# Altium PCB ZYNQ-7000_SOM_Bd.PcbDoc (part 6 of 6)
Units mm, origin at the board's own origin, x right, y up, seen from the top; angles counter-clockwise.
Board outline 69.6 x 45 mm, 8 copper layers (L1 (Sig), L2 (GND), L3 (PWR), L4 (Sig), L5 (GND), L6 (Sig), L7 (GND), L8 (Sig)), stack 1.188 mm thick; 246 components, 201 nets, 1392 pads, 883 vias.
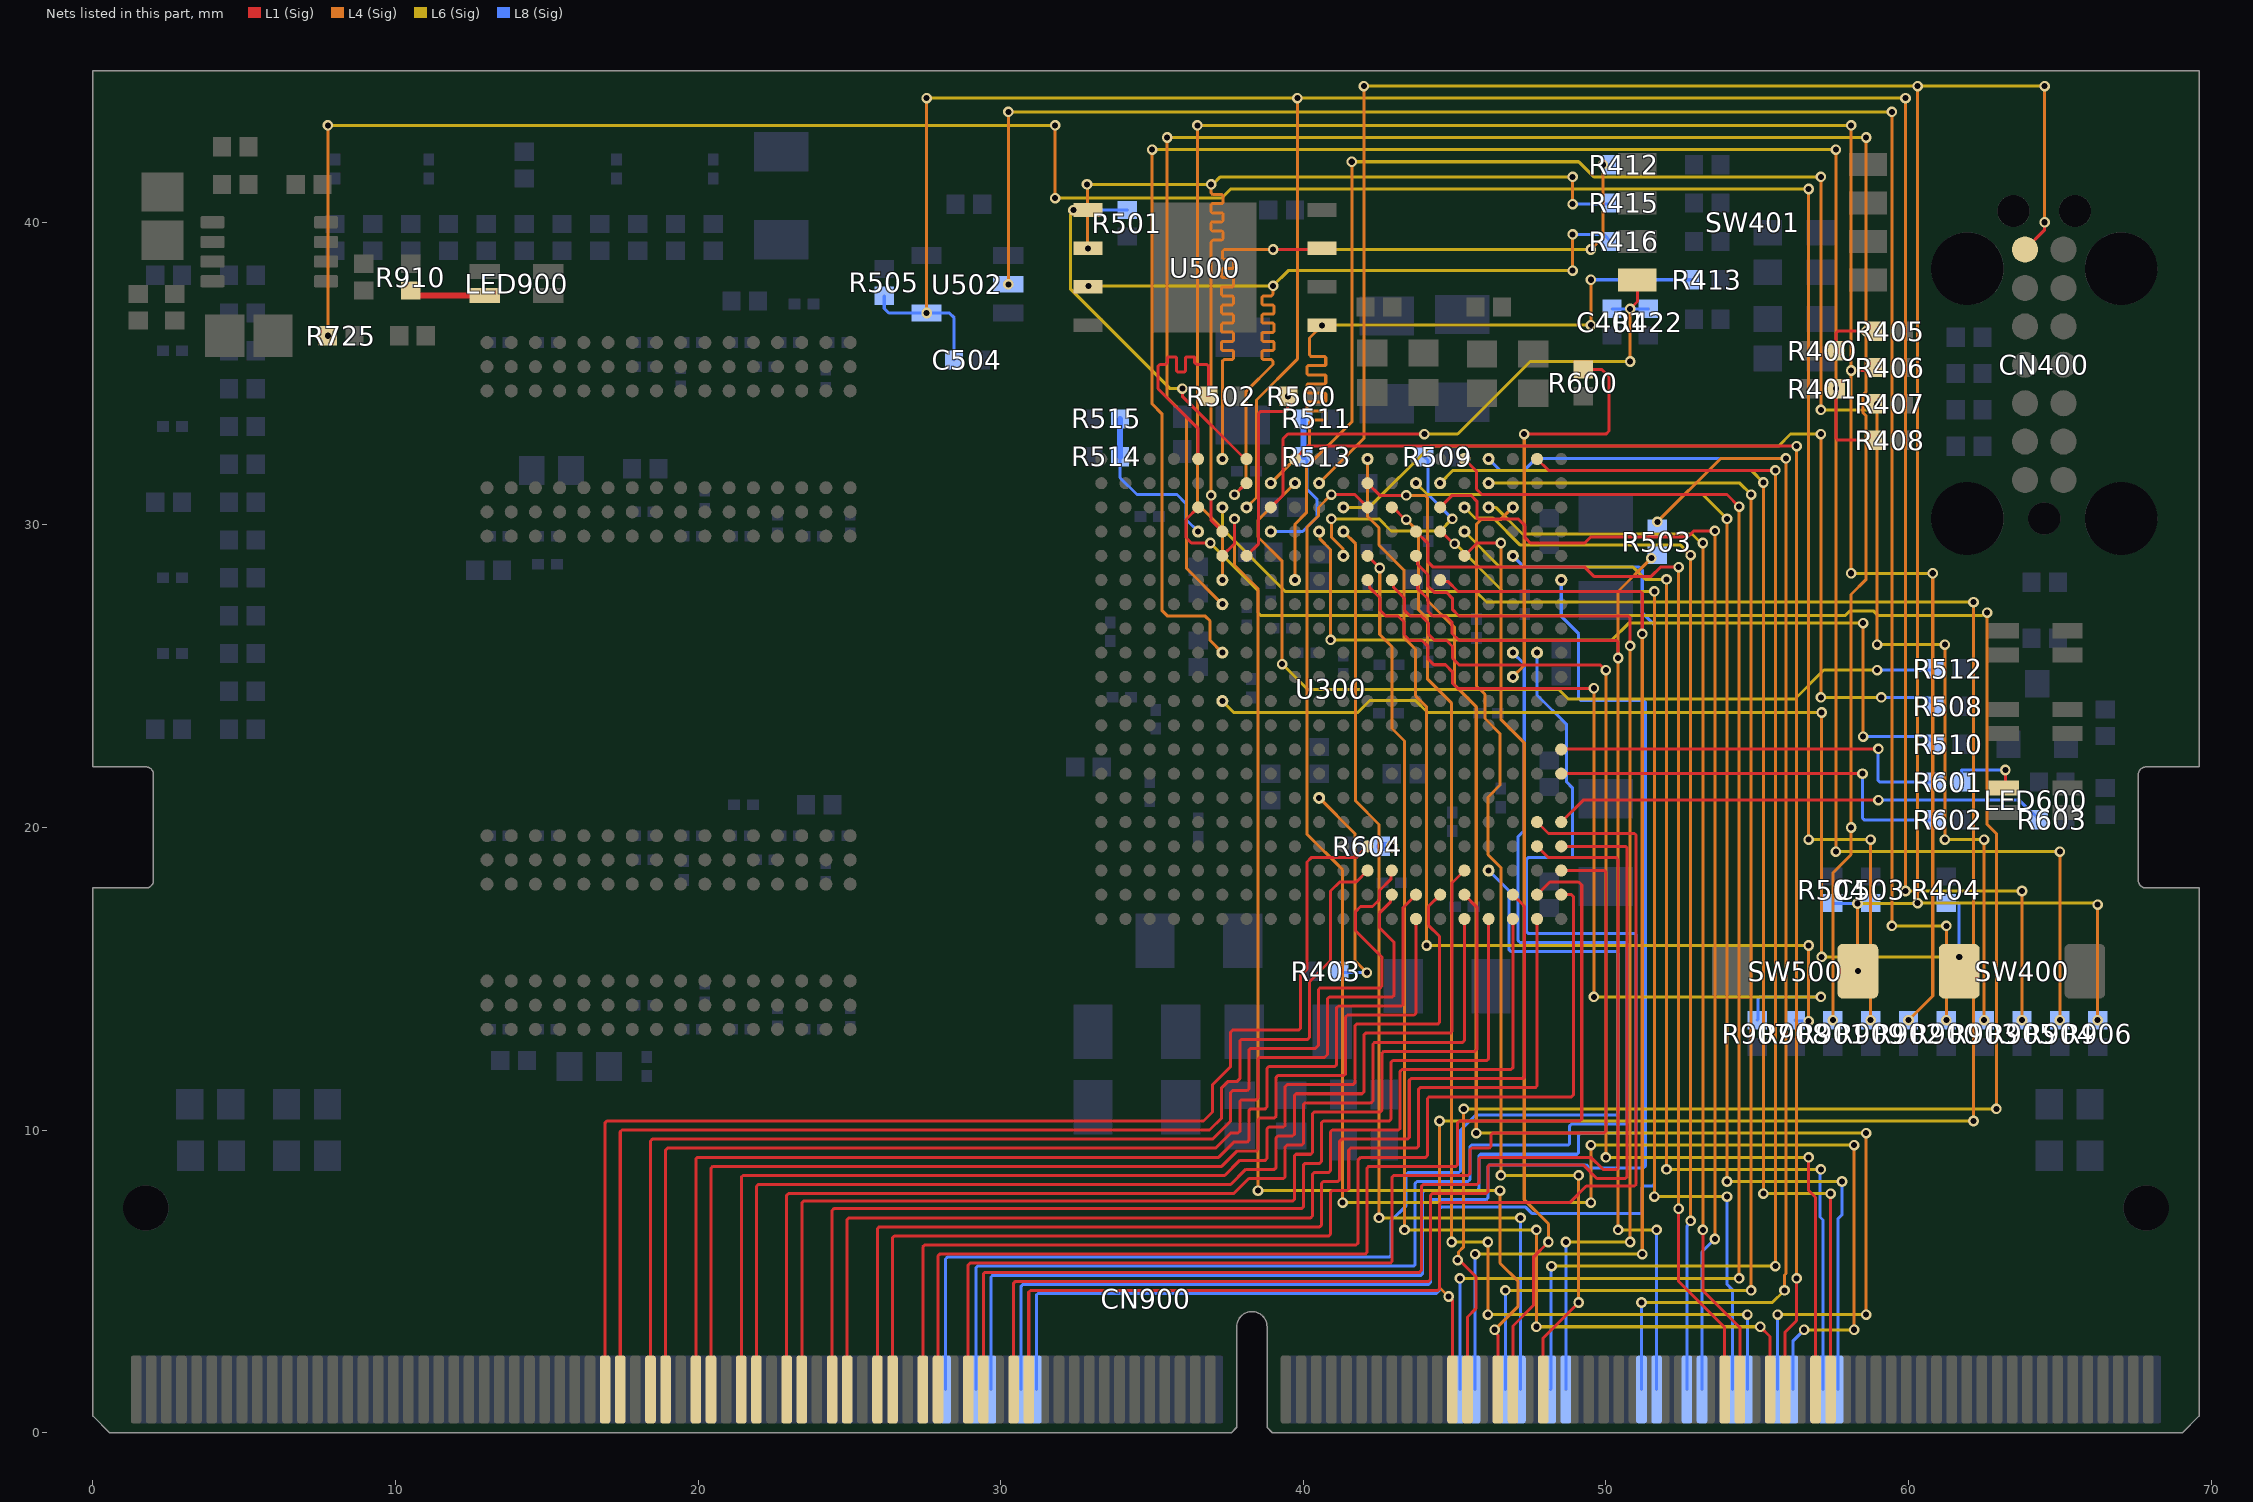
[diagram p12: the nets of this part, all layers, seen from the top]

## Via types
v1: diameter 0.35, hole 0.2, L1 (Sig) to L8 (Sig), tented both sides, 876 vias
v2: diameter 0.45, hole 0.3, L1 (Sig) to L8 (Sig), tented both sides, 7 vias

## Nets (pads, with @x,y where several pads share a name; then routed paths per layer and width w, separated by ;. In a path a pad name is that pad's centre, name@x,y a point inside that pad or via, vN(x,y) a via of type N, cw(c..) or ccw(c..) an arc to the next point about the centre after c; other vN are vias at no path point) (continued)
NetLED600_3: LED600.3 R601.1 | length 2.5
  L1 (Sig) w0.1: LED600.3@63.15,21.3 63.2,21.35 v1(63.2,21.9)
  L8 (Sig) w0.1: R601.1@61.75,21.5 61.75,21.9 v1(63.2,21.9)
NetLED900_4: LED900.4 R910.1 | length 2.5
  L1 (Sig) w0.1: R910.1@10.5,37.75 R910.1@10.675,37.575
  L1 (Sig) w0.2: R910.1@10.675,37.575 LED900.4@12.95,37.575
NINIT: R403.1 U300.R10 | length 7.4
  L4 (Sig) w0.1: v1(40.523,20.977) 41.7,19.8 41.7,15.6 v1(42.1,15.2)
  L8 (Sig) w0.1: R403.1@41.19,15.25 41.24,15.2 v1(42.1,15.2)
NPROGRAM: R404.1 SW400.1 U300.L6 | length 35.1
  L4 (Sig) w0.1: v1(57.125,15.725) v1(57.125,23.8)
  L6 (Sig) w0.1: v1(37.323,24.177) 37.7,23.8 41.8,23.8 42.2,24.2 43.7,24.2 44.1,23.8 v1(57.125,23.8) ; v1(57.125,15.725) v1(61.675,15.725)
  L8 (Sig) w0.1: R404.1@61.25,17.5 61.675,17.5 v1(61.675,15.725)
NPUDC: R604.1 U300.U13 | length 0.4
  L8 (Sig) w0.3: R604.1@42.563,19.377 v1(42.923,19.377)
PG_1.35V: R725.2 R909.1 | length 87.9
  L4 (Sig) w0.1: v1(7.76,36.25) v1(7.76,43.2) ; v1(31.8,40.8) v1(31.8,43.2) ; v1(56.7,19.6) v1(56.7,41.1) ; v1(58.75,13.63) v1(58.75,19.6)
  L6 (Sig) w0.1: v1(7.76,43.2) v1(31.8,43.2) ; v1(31.8,40.8) 37.3,40.8 37.6,41.1 v1(56.7,41.1) ; v1(56.7,19.6) v1(58.75,19.6)
PG_3.3V: R900.1 U502.2 | length 66.7
  L4 (Sig) w0.1: v1(30.25,37.95) v1(30.25,43.65) ; v1(59.45,16.75) v1(59.45,43.65) ; v1(61.25,13.63) v1(61.25,16.75)
  L6 (Sig) w0.1: v1(30.25,43.65) v1(59.45,43.65) ; v1(59.45,16.75) v1(61.25,16.75)
PL_B34_IO_25: CN900.119 U300.T19 | length 41.4
  L1 (Sig) w0.1: CN900.119@30.925,1.425 30.925,4.641 30.984,4.7 44.441,4.7 44.5,4.759 44.5,7.541 44.559,7.6 48.8,7.6 49.352,8.152 50.941,8.152 51,8.211 51,19.741 50.941,19.8 48.1,19.8 U300.T19@47.723,20.177
PL_B34_L2_N: CN900.63 U300.U12 | length 42.1
  L1 (Sig) w0.1: CN900.63@16.925,1.425 16.925,10.241 16.984,10.3 36.7,10.3 37,10.6 37,11.5 37.6,12.1 37.6,13.241 37.659,13.3 39.841,13.3 39.9,13.359 39.9,15.1 40.118,15.318 40.118,18.859 40.259,19 41.746,19 U300.U12@42.123,19.377
PL_B34_L3_N: CN900.69 U300.V13 | length 41.8
  L1 (Sig) w0.1: CN900.69@18.425,1.425 18.425,9.641 18.484,9.7 37,9.7 37.6,10.3 37.6,11.241 37.659,11.3 38.141,11.3 38.2,11.359 38.2,12.641 38.259,12.7 40.4,12.7 40.5,12.8 40.5,14.641 40.559,14.7 42.541,14.7 42.6,14.759 42.6,15.713 41.718,16.596 41.718,17.218 41.887,17.387 42.287,17.387 42.519,17.619 42.519,17.919 42.903,18.303 42.903,18.557 U300.V13@42.923,18.577
PL_B34_L4_N: CN900.71 U300.W13 | length 40.2
  L1 (Sig) w0.1: CN900.71@18.925,1.425 18.925,9.341 18.984,9.4 37.1,9.4 37.6,9.9 37.841,9.9 37.9,9.959 37.9,10.941 37.959,11 38.441,11 38.5,11.059 38.5,12.341 38.559,12.4 40.7,12.4 40.8,12.5 40.8,14.341 40.859,14.4 42.941,14.4 43,14.459 43,16.2 42.523,16.677 42.523,17.178 42.875,17.53 42.875,17.729 U300.W13@42.923,17.777
PL_B34_L4_P: CN900.65 U300.V12 | length 40.5
  L1 (Sig) w0.1: CN900.65@17.425,1.425 17.425,9.941 17.484,10 36.9,10 37.3,10.4 37.3,11.4 37.5,11.6 37.8,11.6 37.9,11.7 37.9,12.941 37.959,13 40.141,13 40.2,13.059 40.2,14.9 40.9,15.6 40.9,17.9 41.2,18.2 41.746,18.2 U300.V12@42.123,18.577
PL_B34_L7_N: CN900.93 U300.Y17 | length 37
  L1 (Sig) w0.1: CN900.93@24.425,1.425 24.425,7.341 24.484,7.4 39.941,7.4 40,7.459 40,8.841 40.059,8.9 40.541,8.9 40.6,8.959 40.6,10.241 40.659,10.3 42.841,10.3 42.9,10.359 42.9,12.241 42.959,12.3 46.064,12.3 46.123,12.359 U300.Y17@46.123,16.977
PL_B34_L7_P: CN900.87 U300.Y16 | length 37.4
  L1 (Sig) w0.1: CN900.87@22.925,1.425 22.925,7.841 22.984,7.9 37.7,7.9 38.2,8.4 39.341,8.4 39.4,8.459 39.4,9.441 39.459,9.5 39.941,9.5 40,9.559 40,10.841 40.059,10.9 42.241,10.9 42.3,10.959 42.3,12.841 42.359,12.9 45.264,12.9 45.323,12.959 U300.Y16@45.323,16.977
PL_B34_L8_N: CN900.77 U300.Y14 | length 38.3
  L1 (Sig) w0.1: CN900.77@20.425,1.425 20.425,8.741 20.484,8.8 37.3,8.8 37.8,9.3 38.441,9.3 38.5,9.359 38.5,10.341 38.559,10.4 39.041,10.4 39.1,10.459 39.1,11.741 39.159,11.8 41.341,11.8 41.4,11.859 41.4,13.741 41.459,13.8 43.664,13.8 43.723,13.859 U300.Y14@43.723,16.977
PL_B34_L8_P: CN900.75 U300.W14 | length 39.3
  L1 (Sig) w0.1: CN900.75@19.925,1.425 19.925,9.041 19.984,9.1 37.2,9.1 37.7,9.6 38.141,9.6 38.2,9.659 38.2,10.641 38.259,10.7 38.741,10.7 38.8,10.759 38.8,12.041 38.859,12.1 41.041,12.1 41.1,12.159 41.1,14.041 41.159,14.1 43.241,14.1 43.3,14.159 43.3,17.354 U300.W14@43.723,17.777
PL_B34_L10_N: CN900.81 U300.W15 | length 39.2
  L1 (Sig) w0.1: CN900.81@21.425,1.425 21.425,8.441 21.484,8.5 37.4,8.5 37.9,9 38.741,9 38.8,9.059 38.8,10.041 38.859,10.1 39.341,10.1 39.4,10.159 39.4,11.441 39.459,11.5 41.641,11.5 41.7,11.559 41.7,13.441 41.759,13.5 44.441,13.5 44.5,13.559 44.5,16.4 44.131,16.769 44.131,17.386 U300.W15@44.523,17.777
PL_B34_L12_N: CN900.113 U300.U19 | length 41.7
  L1 (Sig) w0.1: CN900.113@29.425,1.425 29.425,5.241 29.484,5.3 43.841,5.3 43.9,5.359 43.9,8.141 43.959,8.2 45.741,8.2 45.8,8.259 45.8,9.041 45.859,9.1 49.5,9.1 49.9,8.7 50.341,8.7 50.4,8.759 50.4,18.941 50.341,19 48.1,19 U300.U19@47.723,19.377
PL_B34_L15_N: CN900.117 U300.U20 | length 40.8
  L1 (Sig) w0.1: CN900.117@30.425,1.425 30.425,4.941 30.484,5 44.141,5 44.2,5.059 44.2,7.841 44.259,7.9 46.041,7.9 46.1,7.959 46.1,8.804 46.148,8.852 49.248,8.852 49.7,8.4 50.641,8.4 50.7,8.459 50.7,19.319 50.641,19.377 U300.U20@48.523,19.377
PL_B34_L16_N: CN900.105 U300.W20 | length 38
  L1 (Sig) w0.1: CN900.105@27.425,1.425 27.425,6.141 27.484,6.2 41.741,6.2 41.8,6.259 41.8,9 41.9,9.1 44.041,9.1 44.1,9.159 44.1,11.041 44.159,11.1 48.864,11.1 48.923,11.159 48.923,17.719 48.864,17.777 U300.W20@48.523,17.777
PL_B34_L16_P: CN900.111 U300.V20 | length 39.4
  L1 (Sig) w0.1: CN900.111@28.925,1.425 28.925,5.541 28.984,5.6 42.871,5.6 42.929,5.659 42.929,8.441 42.988,8.5 45.441,8.5 45.5,8.559 45.5,9.341 45.559,9.4 46.141,9.4 46.2,9.459 46.2,9.841 46.259,9.9 49.941,9.9 50,9.959 50,18.519 49.941,18.577 U300.V20@48.523,18.577
PL_B34_L17_N: CN900.101 U300.Y19 | length 36.6
  L1 (Sig) w0.1: CN900.101@26.425,1.425 26.425,6.441 26.484,6.5 40.841,6.5 40.9,6.559 40.9,7.941 40.959,8 41.441,8 41.5,8.059 41.5,9.341 41.559,9.4 43.741,9.4 43.8,9.459 43.8,11.341 43.859,11.4 47.664,11.4 47.723,11.459 U300.Y19@47.723,16.977
PL_B34_L17_P: CN900.95 U300.Y18 | length 37.3
  L1 (Sig) w0.1: CN900.95@24.925,1.425 24.925,7.041 24.984,7.1 40.241,7.1 40.3,7.159 40.3,8.541 40.359,8.6 40.841,8.6 40.9,8.659 40.9,9.941 40.959,10 43.141,10 43.2,10.059 43.2,11.941 43.259,12 46.864,12 46.923,12.059 U300.Y18@46.923,16.977
PL_B34_L18_N: CN900.89 U300.W16 | length 38.6
  L1 (Sig) w0.1: CN900.89@23.425,1.425 23.425,7.589 23.484,7.648 39.641,7.648 39.7,7.707 39.7,9.141 39.759,9.2 40.241,9.2 40.3,9.259 40.3,10.541 40.359,10.6 42.541,10.6 42.6,10.659 42.6,12.541 42.659,12.6 45.674,12.6 45.732,12.659 45.732,17.368 U300.W16@45.323,17.777
PL_B34_L18_P: CN900.83 U300.V16 | length 39.7
  L1 (Sig) w0.1: CN900.83@21.925,1.425 21.925,8.141 21.984,8.2 35.9,8.2 37.6,8.2 38.1,8.7 39.041,8.7 39.1,8.759 39.1,9.741 39.159,9.8 39.641,9.8 39.7,9.859 39.7,11.141 39.759,11.2 41.941,11.2 42,11.259 42,13.141 42.059,13.2 44.852,13.2 44.91,13.259 44.91,18.165 U300.V16@45.323,18.577
PL_B34_L21_P: CN900.108 U300.V17 | length 42.4
  L8 (Sig) w0.1: CN900.108@28.175,1.425 28.175,5.741 28.234,5.8 42.841,5.8 42.9,5.859 42.9,7 43.4,7.5 43.4,8.541 43.459,8.6 45.141,8.6 45.2,8.659 45.2,10 45.7,10.5 50.341,10.5 50.4,10.559 50.4,15.841 50.341,15.9 46.859,15.9 46.8,15.959 46.8,17.9 v1(46.123,18.577)
PL_B34_L22_N: CN900.107 U300.W19 | length 39.4
  L1 (Sig) w0.1: CN900.107@27.925,1.425 27.925,5.841 27.984,5.9 42.041,5.9 42.1,5.959 42.1,8.741 42.159,8.8 45.041,8.8 45.1,8.859 45.1,10.241 45.159,10.3 49.141,10.3 49.2,10.359 49.2,18.1 49.1,18.2 48.146,18.2 U300.W19@47.723,17.777
PL_B34_L22_P: CN900.99 U300.W18 | length 37.6
  L1 (Sig) w0.1: CN900.99@25.925,1.425 25.925,6.741 25.984,6.8 40.541,6.8 40.6,6.859 40.6,8.241 40.659,8.3 41.141,8.3 41.2,8.359 41.2,9.641 41.259,9.7 43.441,9.7 43.5,9.759 43.5,11.641 43.559,11.7 47.255,11.7 47.313,11.759 47.313,17.387 U300.W18@46.923,17.777
PL_B35_L5_P: CN900.120 U300.E18 | length 52.2
  L8 (Sig) w0.1: CN900.120@31.175,1.425 31.175,4.541 31.234,4.6 44.402,4.6 44.5,4.698 44.5,7.393 44.559,7.452 47.348,7.452 47.552,7.248 51.141,7.248 51.2,7.307 51.2,8.093 51.259,8.152 51.541,8.152 51.6,8.211 51.6,26.7 51.2,27.1 51.2,28.5 51.1,28.6 47.3,28.6 v1(46.923,28.977)
PL_B35_L10_N: CN900.114 U300.J19 | length 50.9
  L8 (Sig) w0.1: CN900.114@29.675,1.425 29.675,5.141 29.734,5.2 43.884,5.2 43.943,5.259 43.943,7.941 44.001,8 45.741,8 45.8,8.059 45.8,9.141 45.859,9.2 49.041,9.2 49.1,9.259 49.1,9.841 49.159,9.9 50.941,9.9 51,9.959 51,16.441 50.941,16.5 47.429,16.5 47.371,16.559 47.371,18.941 47.429,19 48.841,19 48.9,19.059 48.9,21.3 48.7,21.5 48.7,23.4 47.723,24.377 v1(47.723,25.777)
PL_B35_L14_P: CN900.112 U300.J18 | length 49.4
  L8 (Sig) w0.1: CN900.112@29.175,1.425 29.175,5.441 29.234,5.5 43.636,5.5 43.694,5.559 43.694,8.241 43.753,8.3 45.441,8.3 45.5,8.359 45.5,9.441 45.559,9.5 48.741,9.5 48.8,9.559 48.8,10.141 48.859,10.2 50.641,10.2 50.7,10.259 50.7,16.141 50.641,16.2 47.159,16.2 47.1,16.259 47.1,19.7 47.3,19.9 47.3,25.4 v1(46.923,25.777)
PL_B35_L15_N: CN900.118 U300.F20 | length 49.7
  L8 (Sig) w0.1: CN900.118@30.675,1.425 30.675,4.841 30.734,4.9 44.141,4.9 44.2,4.959 44.2,7.641 44.259,7.7 46.041,7.7 46.1,7.759 46.1,8.793 46.159,8.852 49.348,8.852 49.452,8.748 51.241,8.748 51.3,8.807 51.3,24.141 51.241,24.2 49.159,24.2 49.1,24.259 49.1,26.4 48.523,26.977 v1(48.523,28.177)
PL_CLK_50MHZ: R600.2 U300.K18 | length 13.8
  L1 (Sig) w0.1: v1(47.298,32.997) 49.997,32.997 50.1,33.1 50.1,34.9 49.87,35.13 R600.2@49.25,35.13
  L4 (Sig) w0.1: v1(46.923,24.977) 47.3,25.354 47.3,32.996 v1(47.298,32.997)
PL_USER_LED_BLUE: R601.2 U300.N20 | length 13.4
  L1 (Sig) w0.1: U300.N20@48.523,22.577 48.534,22.589 58.989,22.589 v1(59,22.6)
  L8 (Sig) w0.1: v1@58.989,22.589 58.989,21.559 59.047,21.5 R601.2@60.87,21.5
PL_USER_LED_GREEN: R602.2 U300.P20 | length 13.8
  L1 (Sig) w0.1: U300.P20@48.523,21.777 v1(58.477,21.777)
  L8 (Sig) w0.1: v1(58.477,21.777) 58.477,20.309 58.536,20.25 R602.2@60.87,20.25
PL_USER_LED_RED: R603.2 U300.T20 | length 16.4
  L1 (Sig) w0.1: U300.T20@48.523,20.177 49.246,20.9 v1(59,20.9)
  L8 (Sig) w0.1: v1(59,20.9) 63.66,20.9 64.04,20.52 64.06,20.52 64.31,20.27 R603.2@64.31,20.25
PS_CAN1_RX: CN900.194 R503.1 U300.F14 | length 37.8
  L1 (Sig) w0.1: U300.F14@43.723,28.177 43.768,28.132 43.768,27.903 44.118,27.553 44.118,27.144 44.279,26.983 44.715,26.983 44.915,26.783 44.915,26.413 45.145,26.182 50.341,26.182 50.4,26.124 v1(50.4,25.6)
  L4 (Sig) w0.1: v1(50.4,6.7) v1(50.4,25.6) 50.4,27.8 v1(51.5,28.9)
  L6 (Sig) w0.1: v1(50.4,6.7) v1(51.675,6.7)
  L8 (Sig) w0.1: CN900.194@51.675,1.425 v1(51.675,6.7)
PS_CAN1_TX: CN900.192 R503.2 U300.A17 | length 50.6
  L4 (Sig) w0.1: v1(51.7,30.1) 53.8,32.2 v1(55.948,32.2) 55.948,5.354 55.948,5.255 55.9,5.207 v1(55.9,4.7)
  L6 (Sig) w0.1: v1(51.175,4.3) 55.5,4.3 v1(55.9,4.7)
  L8 (Sig) w0.1: v1(46.123,32.177) 46.5,31.8 47.3,31.8 47.7,32.2 v1(55.948,32.2) ; CN900.192@51.175,1.425 v1(51.175,4.3)
PS_CLK_33.33MHZ: R500.2 U300.E7 | length 6.3
  L1 (Sig) w0.1: U300.E7@38.123,28.977 38.525,29.379 38.525,33.691 38.584,33.75 39.416,33.75 39.475,33.809 39.475,34.225 v1(39.5,34.25)
PS_I2C0_SCL: CN900.174 U300.B17 | length 46.5
  L4 (Sig) w0.1: v1(54.8,4.7) v1(54.8,31)
  L6 (Sig) w0.1: v1(46.123,31.377) 54.423,31.377 v1(54.8,31) ; v1(46.675,4.7) 50.316,4.7 50.32,4.704 54.796,4.704 v1(54.8,4.7)
  L8 (Sig) w0.1: CN900.174@46.675,1.425 v1(46.675,4.7)
PS_I2C0_SDA: CN900.176 U300.D11 | length 33.5
  L4 (Sig) w0.1: v1(41.323,29.777) 41.728,29.372 41.728,20.872 42.5,20.1 v1(42.5,7.1)
  L6 (Sig) w0.1: v1(42.5,7.1) v1(47.175,7.1)
  L8 (Sig) w0.1: CN900.176@47.175,1.425 v1@47.175,7.102
PS_I2C1_SCL: CN900.180 U300.A19 | length 45.8
  L1 (Sig) w0.1: U300.A19@47.723,32.177 48.1,31.8 v1(55.596,31.8)
  L4 (Sig) w0.1: v1(55.596,5.5) v1(55.596,31.8)
  L6 (Sig) w0.1: v1(48.2,5.5) v1(55.596,5.5)
  L8 (Sig) w0.1: CN900.180@48.175,1.425 48.188,1.437 48.188,5.488 v1(48.2,5.5)
PS_I2C1_SDA: CN900.182 U300.E14 | length 36.1
  L1 (Sig) w0.1: U300.E14@43.723,28.977 43.768,28.932 43.768,28.704 44.122,28.349 44.122,27.973 44.325,27.77 44.729,27.77 44.922,27.576 44.922,27.207 45.141,26.989 50.741,26.989 50.8,26.93 v1(50.8,26)
  L4 (Sig) w0.1: v1(50.8,6.3) v1(50.8,26)
  L6 (Sig) w0.1: v1(48.675,6.3) v1(50.8,6.3)
  L8 (Sig) w0.1: CN900.182@48.675,1.425 v1(48.675,6.3)
PS_MIO0: CN900.173 U300.E6 | length 39.1
  L1 (Sig) w0.1: U300.E6@37.323,28.977 37.725,29.379 v1(37.725,30.2) ; v1(46.323,3.4) 46.323,3.332 46.425,3.23 CN900.173@46.425,1.425
  L4 (Sig) w0.1: v1(37.725,30.2) 37.725,28.675 38.5,27.9 v1(38.5,8) ; v1(46.323,3.4) 47.1,4.177 47.1,5 46.5,5.6 v1(46.5,8)
  L6 (Sig) w0.1: v1(38.5,8) v1(46.5,8)
PS_MIO11: CN900.167 U300.C6 | length 70.4
  L1 (Sig) w0.1: v1(44.8,4.5) 44.925,4.375 CN900.167@44.925,1.425
  L4 (Sig) w0.1: v1(44.5,10.3) 44.5,4.8 v1(44.8,4.5) ; v1(62.148,10.3) v1(62.148,27.448)
  L6 (Sig) w0.1: v1(37.323,30.577) 37.323,29.877 39.4,27.8 45.7,27.8 46.052,27.448 v1(62.148,27.448) ; v1(44.5,10.3) v1(62.148,10.3)
PS_MIO14: CN900.169 U300.C5 | length 73.2
  L1 (Sig) w0.1: U300.C5@36.523,30.577 36.12,30.175 36.12,29.58 36.3,29.4 v1(36.925,29.4) ; v1(45.1,5.7) 45.16,5.7 45.7,5.16 45.7,4.095 45.425,3.82 CN900.169@45.425,1.425
  L4 (Sig) w0.1: v1(45.1,5.7) 45.13,5.73 45.13,5.97 45.3,6.14 v1(45.3,10.7) ; v1(62.6,27.1) 62.6,20.1 62.9,19.8 v1(62.9,10.7)
  L6 (Sig) w0.1: v1(36.925,29.4) 38.5,27.825 38.5,27.1 38.6,27 57.9,27 58.049,27.149 58.851,27.149 59,27 62.432,27 62.532,27.1 v1(62.6,27.1) ; v1(45.3,10.7) v1(62.9,10.7)
PS_MIO31: CN900.175 U300.E16 | length 30.5
  L1 (Sig) w0.1: U300.E16@45.323,28.977 45.746,29.4 v1(46.525,29.4) ; CN900.175@46.925,1.425 46.925,3.525 47.6,4.2 47.6,5.8 v1(48.1,6.3)
  L4 (Sig) w0.1: v1(46.525,29.4) 46.525,23.575 47.3,22.8 47.3,7.7 48.1,6.9 v1(48.1,6.3)
PS_MIO39: CN900.179 U300.C18 | length 33.8
  L1 (Sig) w0.1: CN900.179@47.925,1.425 47.925,3.125 v1(49.1,4.3)
  L4 (Sig) w0.1: v1(46.525,8.5) 46.525,18.675 46.1,19.1 46.1,21 46.5,21.4 46.5,23.1 46,23.6 46,24.4 45.724,24.676 45.724,30.024 45.881,30.181 46.527,30.181 v1(46.923,30.577) ; v1(49.1,4.3) v1(49.1,8.5)
  L6 (Sig) w0.1: v1(46.525,8.5) v1(49.1,8.5)
PS_MIO_VREF: R509.1 U300.E11 | length 8.2
  L4 (Sig) w0.1: v1(40.925,30.2) 40.925,29.598 41.305,29.219 41.305,28.995 v1(41.323,28.977)
  L6 (Sig) w0.1: v1(40.925,30.2) 42.5,30.2 42.9,29.8 44.525,29.8 v1(44.925,30.2)
  L8 (Sig) w0.1: R509.1@44,32.25 44.125,32.125 44.125,31 v1(44.925,30.2)
PS_NPOR: C504.1 R505.1 R905.1 U300.C7 U502.4 | length 92.2
  L4 (Sig) w0.1: v1(27.55,37) v1(27.55,44.1) ; v1(38.123,30.577) 38.45,30.904 38.45,34.125 39.8,35.475 v1(39.8,44.1) ; v1(59.9,17.9) v1(59.9,44.1) ; v1(63.75,13.63) v1(63.75,17.9)
  L6 (Sig) w0.1: v1(27.55,44.1) v1(39.8,44.1) v1(59.9,44.1) ; v1(59.9,17.9) v1(63.75,17.9)
  L8 (Sig) w0.1: R505.1@26.15,37.57 26.15,37.15 26.3,37 v1(27.55,37) 28.3,37 28.46,36.84 C504.1@28.46,35.45
PS_NRST: C503.1 CN400.14 R504.1 R906.1 SW500.1 U300.B10 | length 84.2
  L1 (Sig) w0.1: CN400.14@63.85,39.1 64.5,39.75 v1(64.5,40)
  L4 (Sig) w0.1: v1(40.523,31.377) 40.523,31.423 40.568,31.423 42,32.854 v1(42,44.5) ; v1(58.312,17.488) 58.312,15.262 v1(58.325,15.25) ; v1(60.3,17.5) v1(60.3,44.5) ; v1(64.5,40) v1(64.5,44.5) ; v1(66.25,13.63) v1(66.25,17.45)
  L6 (Sig) w0.1: v1(42,44.5) v1(64.5,44.5) ; v1(58.312,17.488) 58.319,17.494 60.294,17.494 v1(60.3,17.5) 66.066,17.5 66.069,17.498 66.202,17.498 v1(66.25,17.45)
  L8 (Sig) w0.1: R504.1@57.5,17.5 57.512,17.488 v1(58.312,17.488) 58.737,17.488 C503.1@58.75,17.5
PS_QSPI_CLK: R502.1 U300.A5 | length 7.6
  L1 (Sig) w0.1: U300.A5@36.523,32.177 36.523,33.177 35.2,34.5 35.2,35.241 35.259,35.3 35.4,35.3 35.45,35.3 35.509,35.359 35.509,35.523 35.539,35.553 35.779,35.553 35.809,35.523 35.809,35.087 35.839,35.057 36.079,35.057 36.109,35.087 36.109,35.523 36.139,35.553 36.379,35.553 36.409,35.523 36.409,35.359 36.467,35.3 36.7,35.3 36.811,35.3 36.87,35.241 R502.1@36.87,34.25
PS_QSPI_DQ0_BM3: R413.1 U300.B8 U500.5 | length 24.2
  L4 (Sig) w0.1: v1(38.923,31.377) 40.2,32.654 40.2,33.05 40.2,33.4 40.259,33.459 40.71,33.459 40.74,33.489 40.74,33.729 40.71,33.759 40.152,33.759 40.122,33.789 40.122,34.029 40.152,34.059 40.71,34.059 40.74,34.089 40.74,34.329 40.71,34.359 40.152,34.359 40.122,34.389 40.122,34.629 40.152,34.659 40.71,34.659 40.74,34.689 40.74,34.929 40.71,34.959 40.152,34.959 40.122,34.989 40.122,35.229 40.152,35.259 40.71,35.259 40.74,35.289 40.74,35.529 40.71,35.559 40.259,35.559 40.2,35.617 40.2,36.104 40.2,36.175 v1(40.62,36.595) ; v1(49.5,36.6) v1(49.5,38.1)
  L6 (Sig) w0.1: v1(40.62,36.595) 40.622,36.597 49.497,36.597 v1(49.5,36.6)
  L8 (Sig) w0.1: v1(49.5,38.1) 52.905,38.1 R413.1@52.91,38.095
PS_QSPI_DQ1_BM1: R415.1 U300.D6 U500.2 | length 34.2
  L1 (Sig) w0.1: v1(36.95,30.975) 36.95,30.15 U300.D6@37.323,29.777
  L4 (Sig) w0.1: v1(32.85,41.25) 32.865,41.235 32.865,39.15 v1(32.88,39.135) ; v1(36.95,30.975) 36.95,39.004 36.95,39.354 37.009,39.412 37.314,39.412 37.344,39.442 37.344,39.682 37.314,39.712 36.98,39.712 36.95,39.742 36.95,39.982 36.98,40.012 37.314,40.012 37.344,40.042 37.344,40.282 37.314,40.312 36.98,40.312 36.95,40.342 36.95,40.582 36.98,40.612 37.314,40.612 37.344,40.642 37.344,40.882 37.314,40.912 37.009,40.912 36.95,40.971 36.95,41.066 v1(36.95,41.25) ; v1(48.9,40.6) v1(48.9,41.5)
  L6 (Sig) w0.1: v1(32.85,41.25) 37.005,41.25 37.255,41.5 v1(48.9,41.5)
  L8 (Sig) w0.1: v1(48.9,40.6) 50.125,40.6 R415.1@50.16,40.635
PS_QSPI_DQ2_BM2: R416.1 U300.B7 U500.3 | length 29.5
  L1 (Sig) w0.1: v1(37.725,31) 37.735,31 38.113,31.377 U300.B7@38.123,31.377
  L4 (Sig) w0.1: v1(37.725,31) 38.1,31.375 38.1,34.4 39,35.3 39,35.355 39,35.405 38.941,35.464 38.665,35.464 38.635,35.494 38.635,35.734 38.665,35.764 38.995,35.764 39.025,35.794 39.025,36.034 38.995,36.064 38.665,36.064 38.635,36.094 38.635,36.334 38.665,36.364 38.995,36.364 39.025,36.394 39.025,36.634 38.995,36.664 38.665,36.664 38.635,36.694 38.635,36.934 38.665,36.964 38.995,36.964 39.025,36.994 39.025,37.234 38.995,37.264 38.665,37.264 38.635,37.294 38.635,37.534 38.665,37.564 38.941,37.564 39,37.622 39,37.877 v1(39,37.9) ; v1(48.9,38.4) v1(48.9,39.6)